# KiCad board central-control-unit.kicad_pcb (continued)
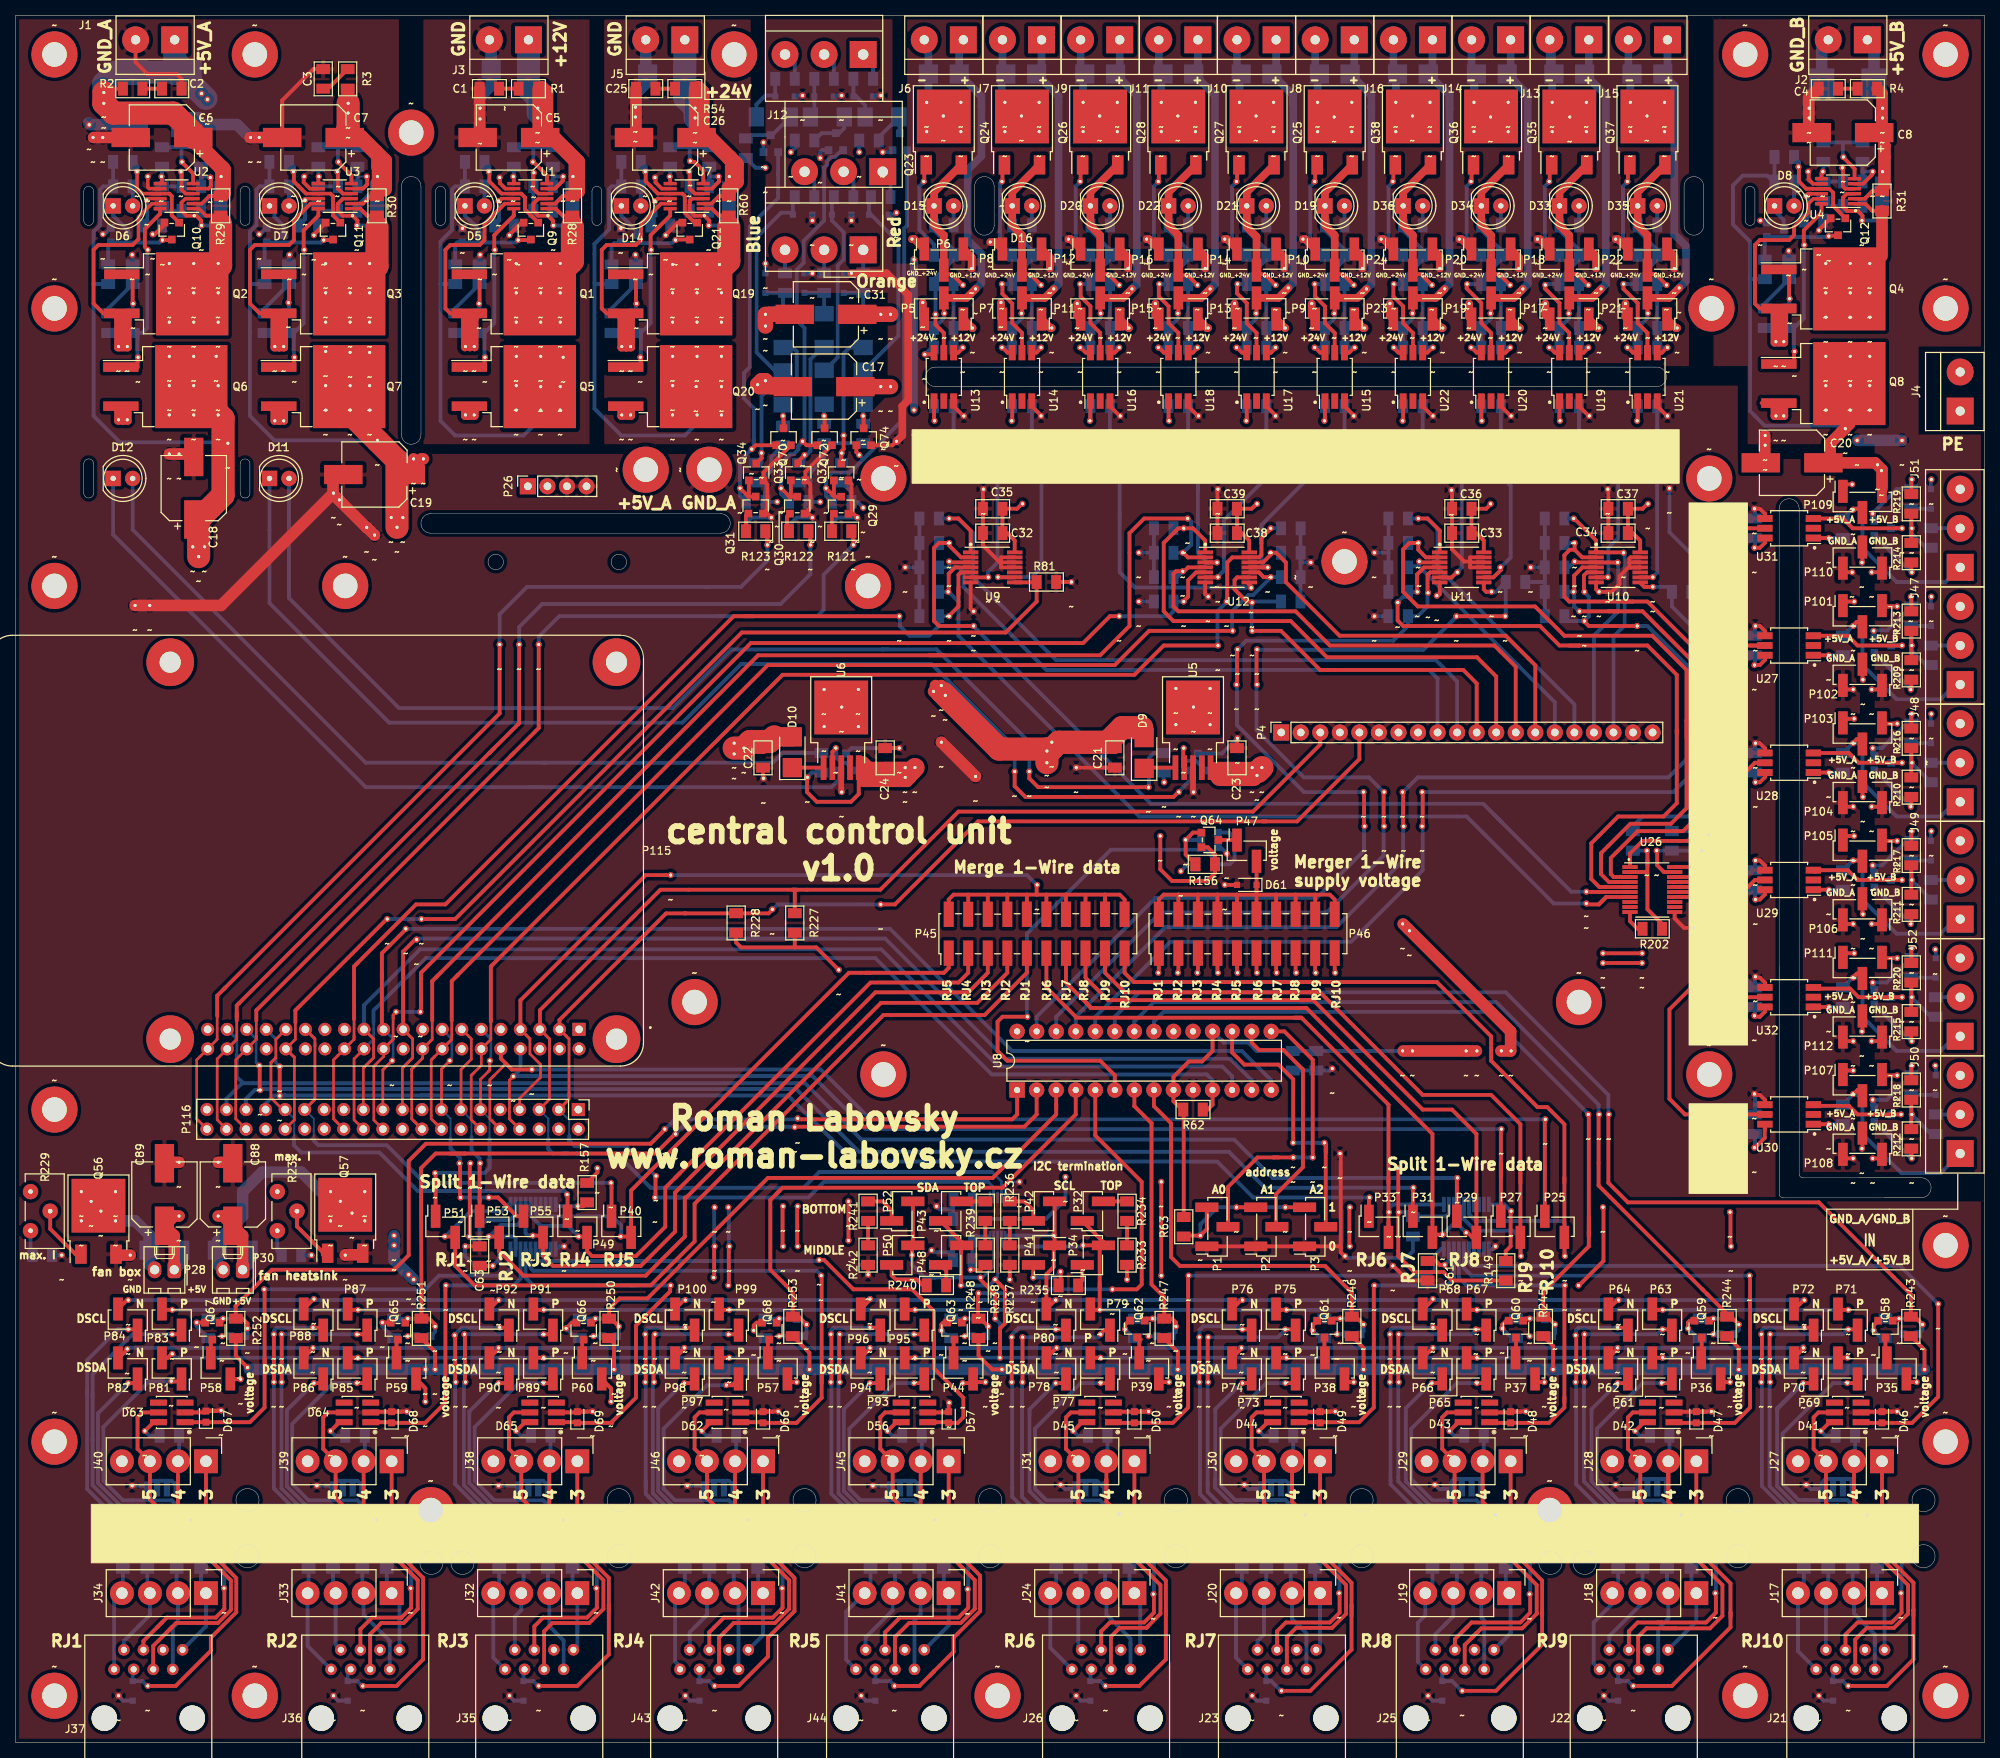
[diagram p0: board, top side]
## Placement (name value [footprint] x y rotation side) (continued)
~#181  ~  [via_pad_0.4x0.8mm]  14.54 51.18 0 top
~#182  ~  [via_pad_0.4x0.8mm]  20.38 50.55 0 top
~#183  ~  [via_pad_0.4x0.8mm]  50.86 43.05 0 top
~#184  ~  [via_pad_0.4x0.8mm]  44.51 50.04 0 top
~#185  ~  [via_pad_0.4x0.8mm]  38.67 51.31 0 top
~#186  ~  [via_pad_0.4x0.8mm]  38.8 57.66 0 top
~#187  ~  [via_pad_0.4x0.8mm]  44.51 56.26 0 top
~#188  ~  [via_pad_0.4x0.8mm]  44.39 46.74 0 top
~#189  ~  [via_pad_0.4x0.8mm]  38.8 46.74 0 top
~#190  ~  [via_pad_0.4x0.8mm]  33.59 53.09 0 top
~#191  ~  [via_pad_0.4x0.8mm]  34.61 46.86 0 top
~#192  ~  [via_pad_0.4x0.8mm]  44.39 53.09 0 top
~#193  ~  [via_pad_0.4x0.8mm]  47.69 54.61 0 top
~#194  ~  [via_pad_0.4x0.8mm]  50.99 52.83 0 top
~#195  ~  [via_pad_0.4x0.8mm]  68.64 50.04 0 top
~#196  ~  [via_pad_0.4x0.8mm]  62.8 51.31 0 top
~#197  ~  [via_pad_0.4x0.8mm]  62.8 57.53 0 top
~#198  ~  [via_pad_0.4x0.8mm]  68.64 56.26 0 top
~#199  ~  [via_pad_0.4x0.8mm]  57.09 52.96 0 top
~#200  ~  [via_pad_0.4x0.8mm]  58.36 53.09 0 top
~#201  ~  [via_pad_0.4x0.8mm]  58.48 46.86 0 top
~#202  ~  [via_pad_0.4x0.8mm]  57.21 46.86 0 top
~#203  ~  [via_pad_0.4x0.8mm]  71.56 53.85 0 top
~#204  ~  [via_pad_0.4x0.8mm]  74.99 43.05 0 top
~#205  ~  [via_pad_0.4x0.8mm]  87.06 57.53 0 top
~#206  ~  [via_pad_0.4x0.8mm]  92.77 56.26 0 top
~#207  ~  [via_pad_0.4x0.8mm]  86.93 51.31 0 top
~#208  ~  [via_pad_0.4x0.8mm]  92.77 50.04 0 top
~#209  ~  [via_pad_0.4x0.8mm]  81.85 53.09 0 top
~#210  ~  [via_pad_0.4x0.8mm]  83.12 53.09 0 top
~#211  ~  [via_pad_0.4x0.8mm]  81.85 46.86 0 top
~#212  ~  [via_pad_0.4x0.8mm]  82.99 46.86 0 top
~#213  ~  [via_pad_0.4x0.8mm]  92.39 46.48 0 top
~#214  ~  [via_pad_0.4x0.8mm]  99.12 43.05 0 top
~#215  ~  [via_pad_0.4x0.8mm]  101.54 46.86 0 top
~#216  ~  [via_pad_0.4x0.8mm]  102.81 54.36 0 top
~#217  ~  [via_pad_0.4x0.8mm]  95.95 53.59 0 top
~#218  ~  [via_pad_0.4x0.8mm]  111.06 57.66 0 top
~#219  ~  [via_pad_0.4x0.8mm]  116.9 56.26 0 top
~#220  ~  [via_pad_0.4x0.8mm]  111.06 51.31 0 top
~#221  ~  [via_pad_0.4x0.8mm]  116.9 50.04 0 top
~#222  ~  [via_pad_0.4x0.8mm]  120.33 53.59 0 top
~#223  ~  [via_pad_0.4x0.8mm]  105.98 53.09 0 top
~#224  ~  [via_pad_0.4x0.8mm]  107.12 53.09 0 top
~#225  ~  [via_pad_0.4x0.8mm]  105.98 46.86 0 top
~#226  ~  [via_pad_0.4x0.8mm]  107.12 46.86 0 top
~#227  ~  [via_pad_0.4x0.8mm]  121.35 44.2 0 top
~#228  ~  [via_pad_0.4x0.8mm]  123.13 46.74 0 top
~#229  ~  [via_pad_0.4x0.8mm]  135.19 57.53 0 top
~#230  ~  [via_pad_0.4x0.8mm]  140.91 56.26 0 top
~#231  ~  [via_pad_0.4x0.8mm]  135.32 51.31 0 top
~#232  ~  [via_pad_0.4x0.8mm]  141.03 50.04 0 top
~#233  ~  [via_pad_0.4x0.8mm]  147.26 43.05 0 top
~#234  ~  [via_pad_0.4x0.8mm]  147.26 52.83 0 top
~#235  ~  [via_pad_0.4x0.8mm]  144.21 53.72 0 top
~#236  ~  [via_pad_0.4x0.8mm]  129.48 52.71 0 top
~#237  ~  [via_pad_0.4x0.8mm]  130.87 52.71 0 top
~#238  ~  [via_pad_0.4x0.8mm]  129.48 46.86 0 top
~#239  ~  [via_pad_0.4x0.8mm]  148.91 60.71 0 top
~#240  ~  [via_pad_0.4x0.8mm]  159.45 57.53 0 top
~#241  ~  [via_pad_0.4x0.8mm]  165.16 56.26 0 top
~#242  ~  [via_pad_0.4x0.8mm]  159.32 51.31 0 top
~#243  ~  [via_pad_0.4x0.8mm]  165.16 50.04 0 top
~#244  ~  [via_pad_0.4x0.8mm]  171.51 43.05 0 top
~#245  ~  [via_pad_0.4x0.8mm]  171.77 53.09 0 top
~#246  ~  [via_pad_0.4x0.8mm]  168.59 53.59 0 top
~#247  ~  [via_pad_0.4x0.8mm]  155 52.71 0 top
~#248  ~  [via_pad_0.4x0.8mm]  153.86 52.71 0 top
~#249  ~  [via_pad_0.4x0.8mm]  153.86 46.86 0 top
~#250  ~  [via_pad_0.4x0.8mm]  155 46.86 0 top
~#251  ~  [via_pad_0.4x0.8mm]  165.04 46.74 0 top
~#252  ~  [via_pad_0.4x0.8mm]  173.93 46.86 0 top
~#253  ~  [via_pad_0.4x0.8mm]  184.21 57.66 0 top
~#254  ~  [via_pad_0.4x0.8mm]  189.93 56.26 0 top
~#255  ~  [via_pad_0.4x0.8mm]  184.21 51.31 0 top
~#256  ~  [via_pad_0.4x0.8mm]  189.93 50.04 0 top
~#257  ~  [via_pad_0.4x0.8mm]  193.23 53.85 0 top
~#258  ~  [via_pad_0.4x0.8mm]  196.79 52.83 0 top
~#259  ~  [via_pad_0.4x0.8mm]  196.28 43.05 0 top
~#260  ~  [via_pad_0.4x0.8mm]  184.21 53.97 0 top
~#261  ~  [via_pad_0.4x0.8mm]  178.63 53.09 0 top
~#262  ~  [via_pad_0.4x0.8mm]  179.77 53.09 0 top
~#263  ~  [via_pad_0.4x0.8mm]  178.63 46.86 0 top
~#264  ~  [via_pad_0.4x0.8mm]  179.77 46.86 0 top
~#265  ~  [via_pad_0.4x0.8mm]  208.34 57.53 0 top
~#266  ~  [via_pad_0.4x0.8mm]  214.06 56.26 0 top
~#267  ~  [via_pad_0.4x0.8mm]  208.22 51.31 0 top
~#268  ~  [via_pad_0.4x0.8mm]  214.06 50.04 0 top
~#269  ~  [via_pad_0.4x0.8mm]  220.66 53.09 0 top
~#270  ~  [via_pad_0.4x0.8mm]  220.41 43.05 0 top
~#271  ~  [via_pad_0.4x0.8mm]  217.36 53.85 0 top
~#272  ~  [via_pad_0.4x0.8mm]  202.76 52.96 0 top
~#273  ~  [via_pad_0.4x0.8mm]  203.9 53.09 0 top
~#274  ~  [via_pad_0.4x0.8mm]  203.9 46.86 0 top
~#275  ~  [via_pad_0.4x0.8mm]  202.76 46.86 0 top
~#276  ~  [via_pad_0.4x0.8mm]  222.95 64.52 0 top
~#277  ~  [via_pad_0.4x0.8mm]  232.47 57.53 0 top
~#278  ~  [via_pad_0.4x0.8mm]  238.19 56.26 0 top
~#279  ~  [via_pad_0.4x0.8mm]  232.35 51.31 0 top
~#280  ~  [via_pad_0.4x0.8mm]  238.06 50.04 0 top
~#281  ~  [via_pad_0.4x0.8mm]  241.49 53.59 0 top
~#282  ~  [via_pad_0.4x0.8mm]  226.89 53.09 0 top
~#283  ~  [via_pad_0.4x0.8mm]  228.03 53.09 0 top
~#284  ~  [via_pad_0.4x0.8mm]  226.89 46.86 0 top
~#285  ~  [via_pad_0.4x0.8mm]  228.03 46.86 0 top
~#286  ~  [via_pad_0.4x0.8mm]  26.35 75.44 0 top
~#287  ~  [via_pad_0.4x0.8mm]  21.27 75.44 0 top
~#288  ~  [via_pad_0.4x0.8mm]  6.03 63.37 0 top
~#289  ~  [via_pad_0.4x0.8mm]  38.48 63.37 0 top
~#290  ~  [via_pad_0.4x0.8mm]  42.86 63.37 0 top
~#291  ~  [via_pad_0.4x0.8mm]  11.11 69.09 0 top
~#292  ~  [via_pad_0.4x0.8mm]  42.23 70.36 0 top
~#293  ~  [via_pad_0.4x0.8mm]  62.04 61.98 0 top
~#294  ~  [via_pad_0.4x0.8mm]  58.48 64.52 0 top
~#295  ~  [via_pad_0.4x0.8mm]  71.31 64.52 0 top
~#296  ~  [via_pad_0.4x0.8mm]  67.25 65.91 0 top
~#297  ~  [via_pad_0.4x0.8mm]  57.85 70.87 0 top
~#298  ~  [via_pad_0.4x0.8mm]  57.72 75.31 0 top
~#299  ~  [via_pad_0.4x0.8mm]  59.12 75.31 0 top
~#300  ~  [via_pad_0.4x0.8mm]  90.74 60.45 0 top
~#301  ~  [via_pad_0.4x0.8mm]  90.87 64.52 0 top
~#302  ~  [via_pad_0.4x0.8mm]  92.77 64.52 0 top
~#303  ~  [via_pad_0.4x0.8mm]  90.87 69.6 0 top
~#304  ~  [via_pad_0.4x0.8mm]  92.65 69.6 0 top
~#305  ~  [via_pad_0.4x0.8mm]  99.76 69.72 0 top
~#306  ~  [via_pad_0.4x0.8mm]  101.66 69.72 0 top
~#307  ~  [via_pad_0.4x0.8mm]  83.25 73.66 0 top
~#308  ~  [via_pad_0.4x0.8mm]  136.46 73.53 0 top
~#309  ~  [via_pad_0.4x0.8mm]  148.91 72.9 0 top
~#310  ~  [via_pad_0.4x0.8mm]  165.04 69.6 0 top
~#311  ~  [via_pad_0.4x0.8mm]  173.42 69.6 0 top
~#312  ~  [via_pad_0.4x0.8mm]  179.01 61.98 0 top
~#313  ~  [via_pad_0.4x0.8mm]  185.74 62.1 0 top
~#314  ~  [via_pad_0.4x0.8mm]  179.64 74.68 0 top
~#315  ~  [via_pad_0.4x0.8mm]  192.34 64.52 0 top
~#316  ~  [via_pad_0.4x0.8mm]  206.31 69.6 0 top
~#317  ~  [via_pad_0.4x0.8mm]  172.15 76.58 0 top
~#318  ~  [via_pad_0.4x0.8mm]  171.13 87.63 0 top
~#319  ~  [via_pad_0.4x0.8mm]  222.82 68.96 0 top
~#320  ~  [via_pad_0.4x0.8mm]  211.39 101.35 0 top
~#321  ~  [via_pad_0.4x0.8mm]  206.31 101.35 0 top
~#322  ~  [via_pad_0.4x0.8mm]  211.39 102.62 0 top
~#323  ~  [via_pad_0.4x0.8mm]  206.31 102.62 0 top
~#324  ~  [via_pad_0.4x0.8mm]  205.8 81.66 0 top
~#325  ~  [via_pad_0.4x0.8mm]  204.41 81.66 0 top
~#326  ~  [via_pad_0.4x0.8mm]  180.28 89.92 0 top
~#327  ~  [via_pad_0.4x0.8mm]  181.55 89.92 0 top
~#328  ~  [via_pad_0.4x0.8mm]  188.53 89.92 0 top
~#329  ~  [via_pad_0.4x0.8mm]  189.93 89.92 0 top
~#330  ~  [via_pad_0.4x0.8mm]  193.1 89.92 0 top
~#331  ~  [via_pad_0.4x0.8mm]  194.37 89.92 0 top
~#332  ~  [via_pad_0.4x0.8mm]  84.39 79.76 0 top
~#333  ~  [via_pad_0.4x0.8mm]  85.79 79.12 0 top
~#334  ~  [via_pad_0.4x0.8mm]  151.07 100.08 0 top
~#335  ~  [via_pad_0.4x0.8mm]  156.27 100.08 0 top
~#336  ~  [via_pad_0.4x0.8mm]  163.89 100.08 0 top
~#337  ~  [via_pad_0.4x0.8mm]  166.43 100.08 0 top
~#338  ~  [via_pad_0.4x0.8mm]  168.97 100.08 0 top
~#339  ~  [via_pad_0.4x0.8mm]  171.51 100.08 0 top
~#340  ~  [via_pad_0.4x0.8mm]  180.28 106.43 0 top
~#341  ~  [via_pad_0.4x0.8mm]  181.17 105.54 0 top
~#342  ~  [via_pad_0.4x0.8mm]  107 100.46 0 top
~#343  ~  [via_pad_0.4x0.8mm]  126.43 151.51 0 top
~#344  ~  [via_pad_0.4x0.8mm]  121.22 149.61 0 top
~#345  ~  [via_pad_0.4x0.8mm]  121.35 153.54 0 top
~#346  ~  [via_pad_0.4x0.8mm]  121.35 155.96 0 top
~#347  ~  [via_pad_0.4x0.8mm]  121.35 159.13 0 top
~#348  ~  [via_pad_0.4x0.8mm]  124.52 145.16 0 top
~#349  ~  [via_pad_0.4x0.8mm]  114.87 146.43 0 top
~#350  ~  [via_pad_0.4x0.8mm]  94.68 129.29 0 top
~#351  ~  [via_pad_0.4x0.8mm]  106.62 129.29 0 top
~#352  ~  [via_pad_0.4x0.8mm]  116.9 126.75 0 top
~#353  ~  [via_pad_0.4x0.8mm]  134.05 127.38 0 top
~#354  ~  [via_pad_0.4x0.8mm]  151.83 129.29 0 top
~#355  ~  [via_pad_0.4x0.8mm]  147.26 124.21 0 top
~#356  ~  [via_pad_0.4x0.8mm]  151.19 123.57 0 top
~#357  ~  [via_pad_0.4x0.8mm]  153.1 123.57 0 top
~#358  ~  [via_pad_0.4x0.8mm]  161.99 126.75 0 top
~#359  ~  [via_pad_0.4x0.8mm]  175.32 119.13 0 top
~#360  ~  [via_pad_0.4x0.8mm]  132.78 111.51 0 top
~#361  ~  [via_pad_0.4x0.8mm]  98.36 108.33 0 top
~#362  ~  [via_pad_0.4x0.8mm]  85.15 112.78 0 top
~#363  ~  [via_pad_0.4x0.8mm]  52.77 107.06 0 top
~#364  ~  [via_pad_0.4x0.8mm]  50.74 105.79 0 top
~#365  ~  [via_pad_0.4x0.8mm]  52.13 104.39 0 top
~#366  ~  [via_pad_0.4x0.8mm]  52.64 95 0 top
~#367  ~  [via_pad_0.4x0.8mm]  31.69 88.01 0 top
~#368  ~  [via_pad_0.4x0.8mm]  34.35 87.88 0 top
~#369  ~  [via_pad_0.4x0.8mm]  48.96 88.65 0 top
~#370  ~  [via_pad_0.4x0.8mm]  56.45 88.65 0 top
~#371  ~  [via_pad_0.4x0.8mm]  61.66 88.65 0 top
~#372  ~  [via_pad_0.4x0.8mm]  64.71 86.61 0 top
~#373  ~  [via_pad_0.4x0.8mm]  34.35 84.07 0 top
~#374  ~  [via_pad_0.4x0.8mm]  31.81 84.84 0 top
~#375  ~  [via_pad_0.4x0.8mm]  49.47 95 0 top
~#376  ~  [via_pad_0.4x0.8mm]  48.32 107.06 0 top
~#377  ~  [via_pad_0.4x0.8mm]  112.46 108.97 0 top
~#378  ~  [via_pad_0.4x0.8mm]  157.16 111.51 0 top
~#379  ~  [via_pad_0.4x0.8mm]  177.86 119.13 0 top
~#380  ~  [via_pad_0.4x0.8mm]  180.4 119.13 0 top
~#381  ~  [via_pad_0.4x0.8mm]  182.82 119.13 0 top
~#382  ~  [via_pad_0.4x0.8mm]  175.2 123.57 0 top
~#383  ~  [via_pad_0.4x0.8mm]  177.86 123.57 0 top
~#384  ~  [via_pad_0.4x0.8mm]  180.28 123.57 0 top
~#385  ~  [via_pad_0.4x0.8mm]  182.82 123.57 0 top
~#386  ~  [via_pad_0.4x0.8mm]  160.72 126.75 0 top
~#387  ~  [via_pad_0.4x0.8mm]  149.29 124.84 0 top
~#388  ~  [via_pad_0.4x0.8mm]  137.86 126.75 0 top
~#389  ~  [via_pad_0.4x0.8mm]  131.76 126.24 0 top
~#390  ~  [via_pad_0.4x0.8mm]  129.86 126.24 0 top
~#391  ~  [via_pad_0.4x0.8mm]  158.81 130.56 0 top
~#392  ~  [via_pad_0.4x0.8mm]  134.05 128.91 0 top
~#393  ~  [via_pad_0.4x0.8mm]  115.63 126.75 0 top
~#394  ~  [via_pad_0.4x0.8mm]  114.87 129.29 0 top
~#395  ~  [via_pad_0.4x0.8mm]  107.38 123.57 0 top
~#396  ~  [via_pad_0.4x0.8mm]  102.93 125.48 0 top
~#397  ~  [via_pad_0.4x0.8mm]  97.22 125.35 0 top
~#398  ~  [via_pad_0.4x0.8mm]  93.41 129.92 0 top
~#399  ~  [via_pad_0.4x0.8mm]  158.69 137.54 0 top
~#400  ~  [via_pad_0.4x0.8mm]  161.35 137.54 0 top
~#401  ~  [via_pad_0.4x0.8mm]  161.35 142.11 0 top
~#402  ~  [via_pad_0.4x0.8mm]  158.81 142.11 0 top
~#403  ~  [via_pad_0.4x0.8mm]  124.78 125.6 0 top
~#404  ~  [via_pad_0.4x0.8mm]  120.33 130.05 0 top
~#405  ~  [via_pad_0.4x0.8mm]  120.84 136.14 0 top
~#406  ~  [via_pad_0.4x0.8mm]  120.33 137.41 0 top
~#407  ~  [via_pad_0.4x0.8mm]  121.35 146.43 0 top
~#408  ~  [via_pad_0.4x0.8mm]  124.52 147.07 0 top
~#409  ~  [via_pad_0.4x0.8mm]  137.22 150.88 0 top
~#410  ~  [via_pad_0.4x0.8mm]  115.63 152.78 0 top
~#411  ~  [via_pad_0.4x0.8mm]  125.79 162.94 0 top
~#412  ~  [via_pad_0.4x0.8mm]  130.87 161.04 0 top
~#413  ~  [via_pad_0.4x0.8mm]  26.73 203.58 0 top
~#414  ~  [via_pad_0.4x0.8mm]  21.65 205.49 0 top
~#415  ~  [via_pad_0.4x0.8mm]  21.53 204.22 0 top
~#416  ~  [via_pad_0.4x0.8mm]  25.34 203.45 0 top
~#417  ~  [via_pad_0.4x0.8mm]  18.99 203.58 0 top
~#418  ~  [via_pad_0.4x0.8mm]  15.81 204.22 0 top
~#419  ~  [via_pad_0.4x0.8mm]  17.08 200.53 0 top
~#420  ~  [via_pad_0.4x0.8mm]  24.19 197.23 0 top
~#421  ~  [via_pad_0.4x0.8mm]  19.11 195.33 0 top
~#422  ~  [via_pad_0.4x0.8mm]  17.21 194.06 0 top
~#423  ~  [via_pad_0.4x0.8mm]  15.3 187.07 0 top
~#424  ~  [via_pad_0.4x0.8mm]  15.94 180.09 0 top
~#425  ~  [via_pad_0.4x0.8mm]  14.54 171.96 0 top
~#426  ~  [via_pad_0.4x0.8mm]  21.27 167.51 0 top
~#427  ~  [via_pad_0.4x0.8mm]  27.62 168.91 0 top
~#428  ~  [via_pad_0.4x0.8mm]  47.05 203.58 0 top
~#429  ~  [via_pad_0.4x0.8mm]  41.97 205.49 0 top
~#430  ~  [via_pad_0.4x0.8mm]  41.85 204.22 0 top
~#431  ~  [via_pad_0.4x0.8mm]  45.66 203.58 0 top
~#432  ~  [via_pad_0.4x0.8mm]  39.43 203.58 0 top
~#433  ~  [via_pad_0.4x0.8mm]  36.13 204.22 0 top
~#434  ~  [via_pad_0.4x0.8mm]  37.66 200.53 0 top
~#435  ~  [via_pad_0.4x0.8mm]  44.39 197.23 0 top
~#436  ~  [via_pad_0.4x0.8mm]  40.07 195.33 0 top
~#437  ~  [via_pad_0.4x0.8mm]  37.53 194.06 0 top
~#438  ~  [via_pad_0.4x0.8mm]  35.62 193.42 0 top
~#439  ~  [via_pad_0.4x0.8mm]  35.5 187.2 0 top
~#440  ~  [via_pad_0.4x0.8mm]  36.26 180.09 0 top
~#441  ~  [via_pad_0.4x0.8mm]  34.86 171.83 0 top
~#442  ~  [via_pad_0.4x0.8mm]  68.01 142.75 0 top
~#443  ~  [via_pad_0.4x0.8mm]  119.57 185.67 0 top
~#444  ~  [via_pad_0.4x0.8mm]  118.17 180.47 0 top
~#445  ~  [via_pad_0.4x0.8mm]  123.13 181.36 0 top
~#446  ~  [via_pad_0.4x0.8mm]  118.05 202.95 0 top
~#447  ~  [via_pad_0.4x0.8mm]  128.21 202.95 0 top
~#448  ~  [via_pad_0.4x0.8mm]  133.29 189.48 0 top
~#449  ~  [via_pad_0.4x0.8mm]  128.21 189.61 0 top
~#450  ~  [via_pad_0.4x0.8mm]  128.21 181.36 0 top
~#451  ~  [via_pad_0.4x0.8mm]  133.29 181.36 0 top
~#452  ~  [via_pad_0.4x0.8mm]  138.37 202.95 0 top
~#453  ~  [via_pad_0.4x0.8mm]  138.37 189.61 0 top
~#454  ~  [via_pad_0.4x0.8mm]  143.45 189.48 0 top
~#455  ~  [via_pad_0.4x0.8mm]  138.37 181.36 0 top
~#456  ~  [via_pad_0.4x0.8mm]  143.45 181.36 0 top
~#457  ~  [via_pad_0.4x0.8mm]  148.53 202.95 0 top
~#458  ~  [via_pad_0.4x0.8mm]  153.61 189.48 0 top
~#459  ~  [via_pad_0.4x0.8mm]  148.65 189.61 0 top
~#460  ~  [via_pad_0.4x0.8mm]  148.53 181.36 0 top
~#461  ~  [via_pad_0.4x0.8mm]  153.61 181.36 0 top
~#462  ~  [via_pad_0.4x0.8mm]  158.69 202.95 0 top
~#463  ~  [via_pad_0.4x0.8mm]  163.77 189.48 0 top
~#464  ~  [via_pad_0.4x0.8mm]  158.81 189.61 0 top
~#465  ~  [via_pad_0.4x0.8mm]  158.69 181.36 0 top
~#466  ~  [via_pad_0.4x0.8mm]  163.77 181.36 0 top
~#467  ~  [via_pad_0.4x0.8mm]  168.85 202.95 0 top
~#468  ~  [via_pad_0.4x0.8mm]  168.85 189.61 0 top
~#469  ~  [via_pad_0.4x0.8mm]  173.93 189.48 0 top
~#470  ~  [via_pad_0.4x0.8mm]  168.85 181.36 0 top
~#471  ~  [via_pad_0.4x0.8mm]  174.05 181.36 0 top
~#472  ~  [via_pad_0.4x0.8mm]  179.01 202.95 0 top
~#473  ~  [via_pad_0.4x0.8mm]  179.13 189.61 0 top
~#474  ~  [via_pad_0.4x0.8mm]  184.09 189.48 0 top
~#475  ~  [via_pad_0.4x0.8mm]  179.13 181.36 0 top
~#476  ~  [via_pad_0.4x0.8mm]  184.21 181.36 0 top
~#477  ~  [via_pad_0.4x0.8mm]  189.17 202.95 0 top
~#478  ~  [via_pad_0.4x0.8mm]  188.66 189.61 0 top
~#479  ~  [via_pad_0.4x0.8mm]  194.25 189.48 0 top
~#480  ~  [via_pad_0.4x0.8mm]  189.17 181.36 0 top
~#481  ~  [via_pad_0.4x0.8mm]  194.25 181.36 0 top
~#482  ~  [via_pad_0.4x0.8mm]  199.33 202.95 0 top
~#483  ~  [via_pad_0.4x0.8mm]  198.82 189.48 0 top
~#484  ~  [via_pad_0.4x0.8mm]  204.41 189.48 0 top
~#485  ~  [via_pad_0.4x0.8mm]  199.33 181.36 0 top
~#486  ~  [via_pad_0.4x0.8mm]  204.41 181.36 0 top
~#487  ~  [via_pad_0.4x0.8mm]  214.57 189.48 0 top
~#488  ~  [via_pad_0.4x0.8mm]  208.98 189.61 0 top
~#489  ~  [via_pad_0.4x0.8mm]  209.49 181.36 0 top
~#490  ~  [via_pad_0.4x0.8mm]  214.69 181.36 0 top
~#491  ~  [via_pad_0.4x0.8mm]  130.75 211.45 0 top
~#492  ~  [via_pad_0.4x0.8mm]  140.91 211.45 0 top
~#493  ~  [via_pad_0.4x0.8mm]  151.07 211.45 0 top
~#494  ~  [via_pad_0.4x0.8mm]  161.23 211.45 0 top
~#495  ~  [via_pad_0.4x0.8mm]  171.39 211.33 0 top
~#496  ~  [via_pad_0.4x0.8mm]  181.55 211.45 0 top
~#497  ~  [via_pad_0.4x0.8mm]  191.71 211.33 0 top
~#498  ~  [via_pad_0.4x0.8mm]  201.99 211.33 0 top
~#499  ~  [via_pad_0.4x0.8mm]  212.03 211.45 0 top
~#500  ~  [via_pad_0.4x0.8mm]  207.96 195.45 0 top
~#501  ~  [via_pad_0.4x0.8mm]  215.58 191.64 0 top
~#502  ~  [via_pad_0.4x0.8mm]  117.92 187.2 0 top
~#503  ~  [via_pad_0.4x0.8mm]  128.08 187.2 0 top
~#504  ~  [via_pad_0.4x0.8mm]  137.99 187.07 0 top
~#505  ~  [via_pad_0.4x0.8mm]  148.15 187.07 0 top
~#506  ~  [via_pad_0.4x0.8mm]  158.43 187.07 0 top
~#507  ~  [via_pad_0.4x0.8mm]  168.47 187.07 0 top
~#508  ~  [via_pad_0.4x0.8mm]  178.63 187.07 0 top
~#509  ~  [via_pad_0.4x0.8mm]  188.91 187.07 0 top
~#510  ~  [via_pad_0.4x0.8mm]  209.23 187.07 0 top
~#511  ~  [via_pad_0.4x0.8mm]  124.4 183.9 0 top
~#512  ~  [via_pad_0.4x0.8mm]  134.68 183.9 0 top
~#513  ~  [via_pad_0.4x0.8mm]  144.72 183.9 0 top
~#514  ~  [via_pad_0.4x0.8mm]  155 183.9 0 top
~#515  ~  [via_pad_0.4x0.8mm]  165.04 183.9 0 top
~#516  ~  [via_pad_0.4x0.8mm]  175.32 183.9 0 top
~#517  ~  [via_pad_0.4x0.8mm]  185.48 183.9 0 top
~#518  ~  [via_pad_0.4x0.8mm]  195.52 183.9 0 top
~#519  ~  [via_pad_0.4x0.8mm]  215.96 183.9 0 top
~#520  ~  [via_pad_0.4x0.8mm]  233.11 212.47 0 top
~#521  ~  [via_pad_0.4x0.8mm]  242.63 212.47 0 top
~#522  ~  [via_pad_0.4x0.8mm]  231.71 204.85 0 top
~#523  ~  [via_pad_0.4x0.8mm]  237.55 206.12 0 top
~#524  ~  [via_pad_0.4x0.8mm]  234.89 204.22 0 top
~#525  ~  [via_pad_0.4x0.8mm]  237.43 204.72 0 top
~#526  ~  [via_pad_0.4x0.8mm]  241.36 204.22 0 top
~#527  ~  [via_pad_0.4x0.8mm]  242.63 204.22 0 top
~#528  ~  [via_pad_0.4x0.8mm]  239.97 197.87 0 top
~#529  ~  [via_pad_0.4x0.8mm]  232.73 201.04 0 top
~#530  ~  [via_pad_0.4x0.8mm]  235.65 195.83 0 top
~#531  ~  [via_pad_0.4x0.8mm]  230.44 193.93 0 top
~#532  ~  [via_pad_0.4x0.8mm]  237.81 170.81 0 top
~#533  ~  [via_pad_0.4x0.8mm]  230.57 187.71 0 top
~#534  ~  [via_pad_0.4x0.8mm]  231.2 180.85 0 top
~#535  ~  [via_pad_0.4x0.8mm]  229.81 172.47 0 top
~#536  ~  [via_pad_0.4x0.8mm]  248.98 164.21 0 top
~#537  ~  [via_pad_0.4x0.8mm]  238.82 160.27 0 top
~#538  ~  [via_pad_0.4x0.8mm]  241.36 159.77 0 top
~#539  ~  [via_pad_0.4x0.8mm]  246.44 157.86 0 top
~#540  ~  [via_pad_0.4x0.8mm]  245.17 157.86 0 top
~#541  ~  [via_pad_0.4x0.8mm]  235.65 156.59 0 top
~#542  ~  [via_pad_0.4x0.8mm]  239.97 153.42 0 top
~#543  ~  [via_pad_0.4x0.8mm]  246.44 152.15 0 top
~#544  ~  [via_pad_0.4x0.8mm]  248.98 148.97 0 top
~#545  ~  [via_pad_0.4x0.8mm]  245.17 142.62 0 top
~#546  ~  [via_pad_0.4x0.8mm]  246.44 142.62 0 top
~#547  ~  [via_pad_0.4x0.8mm]  238.82 145.16 0 top
~#548  ~  [via_pad_0.4x0.8mm]  241.49 144.53 0 top
~#549  ~  [via_pad_0.4x0.8mm]  235.65 141.35 0 top
~#550  ~  [via_pad_0.4x0.8mm]  240.09 138.18 0 top
~#551  ~  [via_pad_0.4x0.8mm]  246.32 136.91 0 top
~#552  ~  [via_pad_0.4x0.8mm]  248.98 133.73 0 top
~#553  ~  [via_pad_0.4x0.8mm]  238.82 129.92 0 top
~#554  ~  [via_pad_0.4x0.8mm]  241.36 129.29 0 top
~#555  ~  [via_pad_0.4x0.8mm]  246.44 127.38 0 top
~#556  ~  [via_pad_0.4x0.8mm]  245.17 127.38 90 top
~#557  ~  [via_pad_0.4x0.8mm]  235.65 126.11 0 top
~#558  ~  [via_pad_0.4x0.8mm]  240.09 122.94 0 top
~#559  ~  [via_pad_0.4x0.8mm]  246.32 121.67 0 top
~#560  ~  [via_pad_0.4x0.8mm]  248.98 118.49 0 top
~#561  ~  [via_pad_0.4x0.8mm]  238.82 114.68 0 top
~#562  ~  [via_pad_0.4x0.8mm]  241.36 114.05 0 top
~#563  ~  [via_pad_0.4x0.8mm]  245.17 112.14 0 top
~#564  ~  [via_pad_0.4x0.8mm]  246.44 112.14 0 top
~#565  ~  [via_pad_0.4x0.8mm]  235.65 110.87 0 top
~#566  ~  [via_pad_0.4x0.8mm]  240.09 107.7 0 top
~#567  ~  [via_pad_0.4x0.8mm]  246.32 106.43 0 top
~#568  ~  [via_pad_0.4x0.8mm]  249.49 103.12 0 top
~#569  ~  [via_pad_0.4x0.8mm]  235.65 95.63 0 top
~#570  ~  [via_pad_0.4x0.8mm]  238.82 99.44 0 top
~#571  ~  [via_pad_0.4x0.8mm]  241.36 98.81 0 top
~#572  ~  [via_pad_0.4x0.8mm]  246.44 96.9 0 top
~#573  ~  [via_pad_0.4x0.8mm]  245.17 96.9 0 top
~#574  ~  [via_pad_0.4x0.8mm]  239.97 92.46 0 top
~#575  ~  [via_pad_0.4x0.8mm]  246.44 91.19 0 top
~#576  ~  [via_pad_0.4x0.8mm]  246.44 88.01 0 top
~#577  ~  [via_pad_0.4x0.8mm]  238.82 87.38 0 top
~#578  ~  [via_pad_0.4x0.8mm]  244.54 86.74 0 top
~#579  ~  [via_pad_0.4x0.8mm]  245.05 81.66 0 top
~#580  ~  [via_pad_0.4x0.8mm]  246.44 81.66 0 top
~#581  ~  [via_pad_0.4x0.8mm]  246.44 75.95 0 top
~#582  ~  [via_pad_0.4x0.8mm]  235.65 80.39 0 top
~#583  ~  [via_pad_0.4x0.8mm]  238.82 84.33 0 top
~#584  ~  [via_pad_0.4x0.8mm]  239.97 77.22 0 top
~#585  ~  [via_pad_0.4x0.8mm]  241.36 75.95 0 top
~#586  ~  [via_pad_0.4x0.8mm]  219.14 115.95 0 top
~#587  ~  [via_pad_0.4x0.8mm]  204.15 109.09 0 top
~#588  ~  [via_pad_0.4x0.8mm]  210.76 171.83 0 top
~#589  ~  [via_pad_0.4x0.8mm]  200.72 171.83 0 top
~#590  ~  [via_pad_0.4x0.8mm]  190.56 171.83 0 top
~#591  ~  [via_pad_0.4x0.8mm]  180.28 171.83 0 top
~#592  ~  [via_pad_0.4x0.8mm]  170.12 171.83 0 top
~#593  ~  [via_pad_0.4x0.8mm]  159.96 171.83 0 top
~#594  ~  [via_pad_0.4x0.8mm]  149.92 171.83 0 top
~#595  ~  [via_pad_0.4x0.8mm]  139.64 171.83 0 top
~#596  ~  [via_pad_0.4x0.8mm]  129.48 171.83 0 top
~#597  ~  [via_pad_0.4x0.8mm]  119.44 171.83 0 top
~#598  ~  [via_pad_0.4x0.8mm]  212.79 151.51 0 top
~#599  ~  [via_pad_0.4x0.8mm]  212.79 150.24 0 top
~#600  ~  [via_pad_0.4x0.8mm]  206.95 151.51 0 top
~#601  ~  [via_pad_0.4x0.8mm]  208.22 153.42 0 top
~#602  ~  [via_pad_0.4x0.8mm]  208.98 154.69 0 top
~#603  ~  [via_pad_0.4x0.8mm]  203.9 149.61 0 top
~#604  ~  [via_pad_0.4x0.8mm]  202.5 149.61 0 top
~#605  ~  [via_pad_0.4x0.8mm]  202.63 153.54 0 top
~#606  ~  [via_pad_0.4x0.8mm]  202.63 155.96 0 top
~#607  ~  [via_pad_0.4x0.8mm]  202.5 159.13 0 top
~#608  ~  [via_pad_0.4x0.8mm]  191.83 149.61 0 top
~#609  ~  [via_pad_0.4x0.8mm]  192.98 152.78 0 top
~#610  ~  [via_pad_0.4x0.8mm]  187.39 152.15 0 top
~#611  ~  [via_pad_0.4x0.8mm]  183.58 149.48 0 top
~#612  ~  [via_pad_0.4x0.8mm]  182.18 149.61 0 top
~#613  ~  [via_pad_0.4x0.8mm]  182.44 153.54 0 top
~#614  ~  [via_pad_0.4x0.8mm]  182.31 155.96 0 top
~#615  ~  [via_pad_0.4x0.8mm]  182.31 159.13 0 top
~#616  ~  [via_pad_0.4x0.8mm]  163.13 154.69 0 top
~#617  ~  [via_pad_0.4x0.8mm]  162.75 152.78 0 top
~#618  ~  [via_pad_0.4x0.8mm]  163.13 151.51 90 top
~#619  ~  [via_pad_0.4x0.8mm]  160.59 150.11 0 top
~#620  ~  [via_pad_0.4x0.8mm]  160.72 148.21 0 top
~#621  ~  [via_pad_0.4x0.8mm]  158.18 144.53 0 top
~#622  ~  [via_pad_0.4x0.8mm]  157.42 148.34 0 top
~#623  ~  [via_pad_0.4x0.8mm]  156.27 151.51 0 top
~#624  ~  [via_pad_0.4x0.8mm]  156.15 153.42 0 top
~#625  ~  [via_pad_0.4x0.8mm]  152.34 159.13 0 top
~#626  ~  [via_pad_0.4x0.8mm]  151.83 157.86 0 top
~#627  ~  [via_pad_0.4x0.8mm]  151.7 154.69 0 top
~#628  ~  [via_pad_0.4x0.8mm]  151.7 152.27 0 top
~#629  ~  [via_pad_0.4x0.8mm]  151.83 148.34 0 top
~#630  ~  [via_pad_0.4x0.8mm]  127.7 151.51 0 top
~#631  ~  [via_pad_0.4x0.8mm]  145.99 154.69 0 top
~#632  ~  [via_pad_0.4x0.8mm]  145.99 148.34 0 top
~#633  ~  [via_pad_0.4x0.8mm]  155 148.97 0 top
~#634  ~  [via_pad_0.4x0.8mm]  168.34 153.42 0 top
~#635  ~  [via_pad_0.4x0.8mm]  156.27 162.94 0 top
~#636  ~  [via_pad_0.4x0.8mm]  161.35 161.04 0 top
~#637  ~  [via_pad_0.4x0.8mm]  156.27 142.62 0 top
~#638  ~  [via_pad_0.4x0.8mm]  143.45 146.43 0 top
~#639  ~  [via_pad_0.4x0.8mm]  160.72 144.53 0 top
~#640  ~  [via_pad_0.4x0.8mm]  163.13 157.86 0 top
~#641  ~  [via_pad_0.4x0.8mm]  176.59 146.43 0 top
~#642  ~  [via_pad_0.4x0.8mm]  176.59 154.69 0 top
~#643  ~  [via_pad_0.4x0.8mm]  184.72 149.1 0 top
~#644  ~  [via_pad_0.4x0.8mm]  186.63 162.81 0 top
~#645  ~  [via_pad_0.4x0.8mm]  191.71 161.04 0 top
~#646  ~  [via_pad_0.4x0.8mm]  179.64 148.21 0 top
~#647  ~  [via_pad_0.4x0.8mm]  193.61 146.43 0 top
~#648  ~  [via_pad_0.4x0.8mm]  187.26 146.43 0 top
~#649  ~  [via_pad_0.4x0.8mm]  196.91 152.78 0 top
~#650  ~  [via_pad_0.4x0.8mm]  205.8 149.61 0 top
~#651  ~  [via_pad_0.4x0.8mm]  206.95 162.94 0 top
~#652  ~  [via_pad_0.4x0.8mm]  203.26 147.07 0 top
~#653  ~  [via_pad_0.4x0.8mm]  203.9 145.8 0 top
~#654  ~  [via_pad_0.4x0.8mm]  210.76 145.16 0 top
~#655  ~  [via_pad_0.4x0.8mm]  212.15 161.04 0 top
~#656  ~  [via_pad_0.4x0.8mm]  214.95 163.07 0 top
~#657  ~  [via_pad_0.4x0.8mm]  123.25 172.47 0 top
~#658  ~  [via_pad_0.4x0.8mm]  133.29 172.47 0 top
~#659  ~  [via_pad_0.4x0.8mm]  143.57 172.47 0 top
~#660  ~  [via_pad_0.4x0.8mm]  153.73 172.47 0 top
~#661  ~  [via_pad_0.4x0.8mm]  163.77 172.47 0 top
~#662  ~  [via_pad_0.4x0.8mm]  173.93 172.47 0 top
~#663  ~  [via_pad_0.4x0.8mm]  184.21 172.47 0 top
~#664  ~  [via_pad_0.4x0.8mm]  194.37 172.47 0 top
~#665  ~  [via_pad_0.4x0.8mm]  204.53 172.47 0 top
~#666  ~  [via_pad_0.4x0.8mm]  214.69 172.47 0 top
~#667  ~  [via_pad_0.4x0.8mm]  204.15 110.62 0 top
~#668  ~  [via_pad_0.4x0.8mm]  212.03 115.95 0 top
~#669  ~  [via_pad_0.4x0.8mm]  220.03 117.98 0 top
~#670  ~  [via_pad_0.4x0.8mm]  213.3 115.95 0 top
~#671  ~  [via_pad_0.4x0.8mm]  226.12 114.68 0 top
~#672  ~  [via_pad_0.4x0.8mm]  226.12 109.6 0 top
~#673  ~  [via_pad_0.4x0.8mm]  218.12 105.92 0 top
~#674  ~  [via_pad_0.4x0.8mm]  226.12 99.57 0 top
~#675  ~  [via_pad_0.4x0.8mm]  226 94.49 0 top
~#676  ~  [via_pad_0.4x0.8mm]  226.12 124.84 0 top
~#677  ~  [via_pad_0.4x0.8mm]  226.12 129.92 0 top
~#678  ~  [via_pad_0.4x0.8mm]  226.12 145.16 0 top
~#679  ~  [via_pad_0.4x0.8mm]  226 140.08 0 top
~#680  ~  [via_pad_0.4x0.8mm]  226 155.32 0 top
~#681  ~  [via_pad_0.4x0.8mm]  226 160.4 0 top
~#682  ~  [via_pad_0.4x0.8mm]  226 84.33 0 top